# Altium PCB UmTRXv2.PcbDoc (part 7 of 25) (continued)
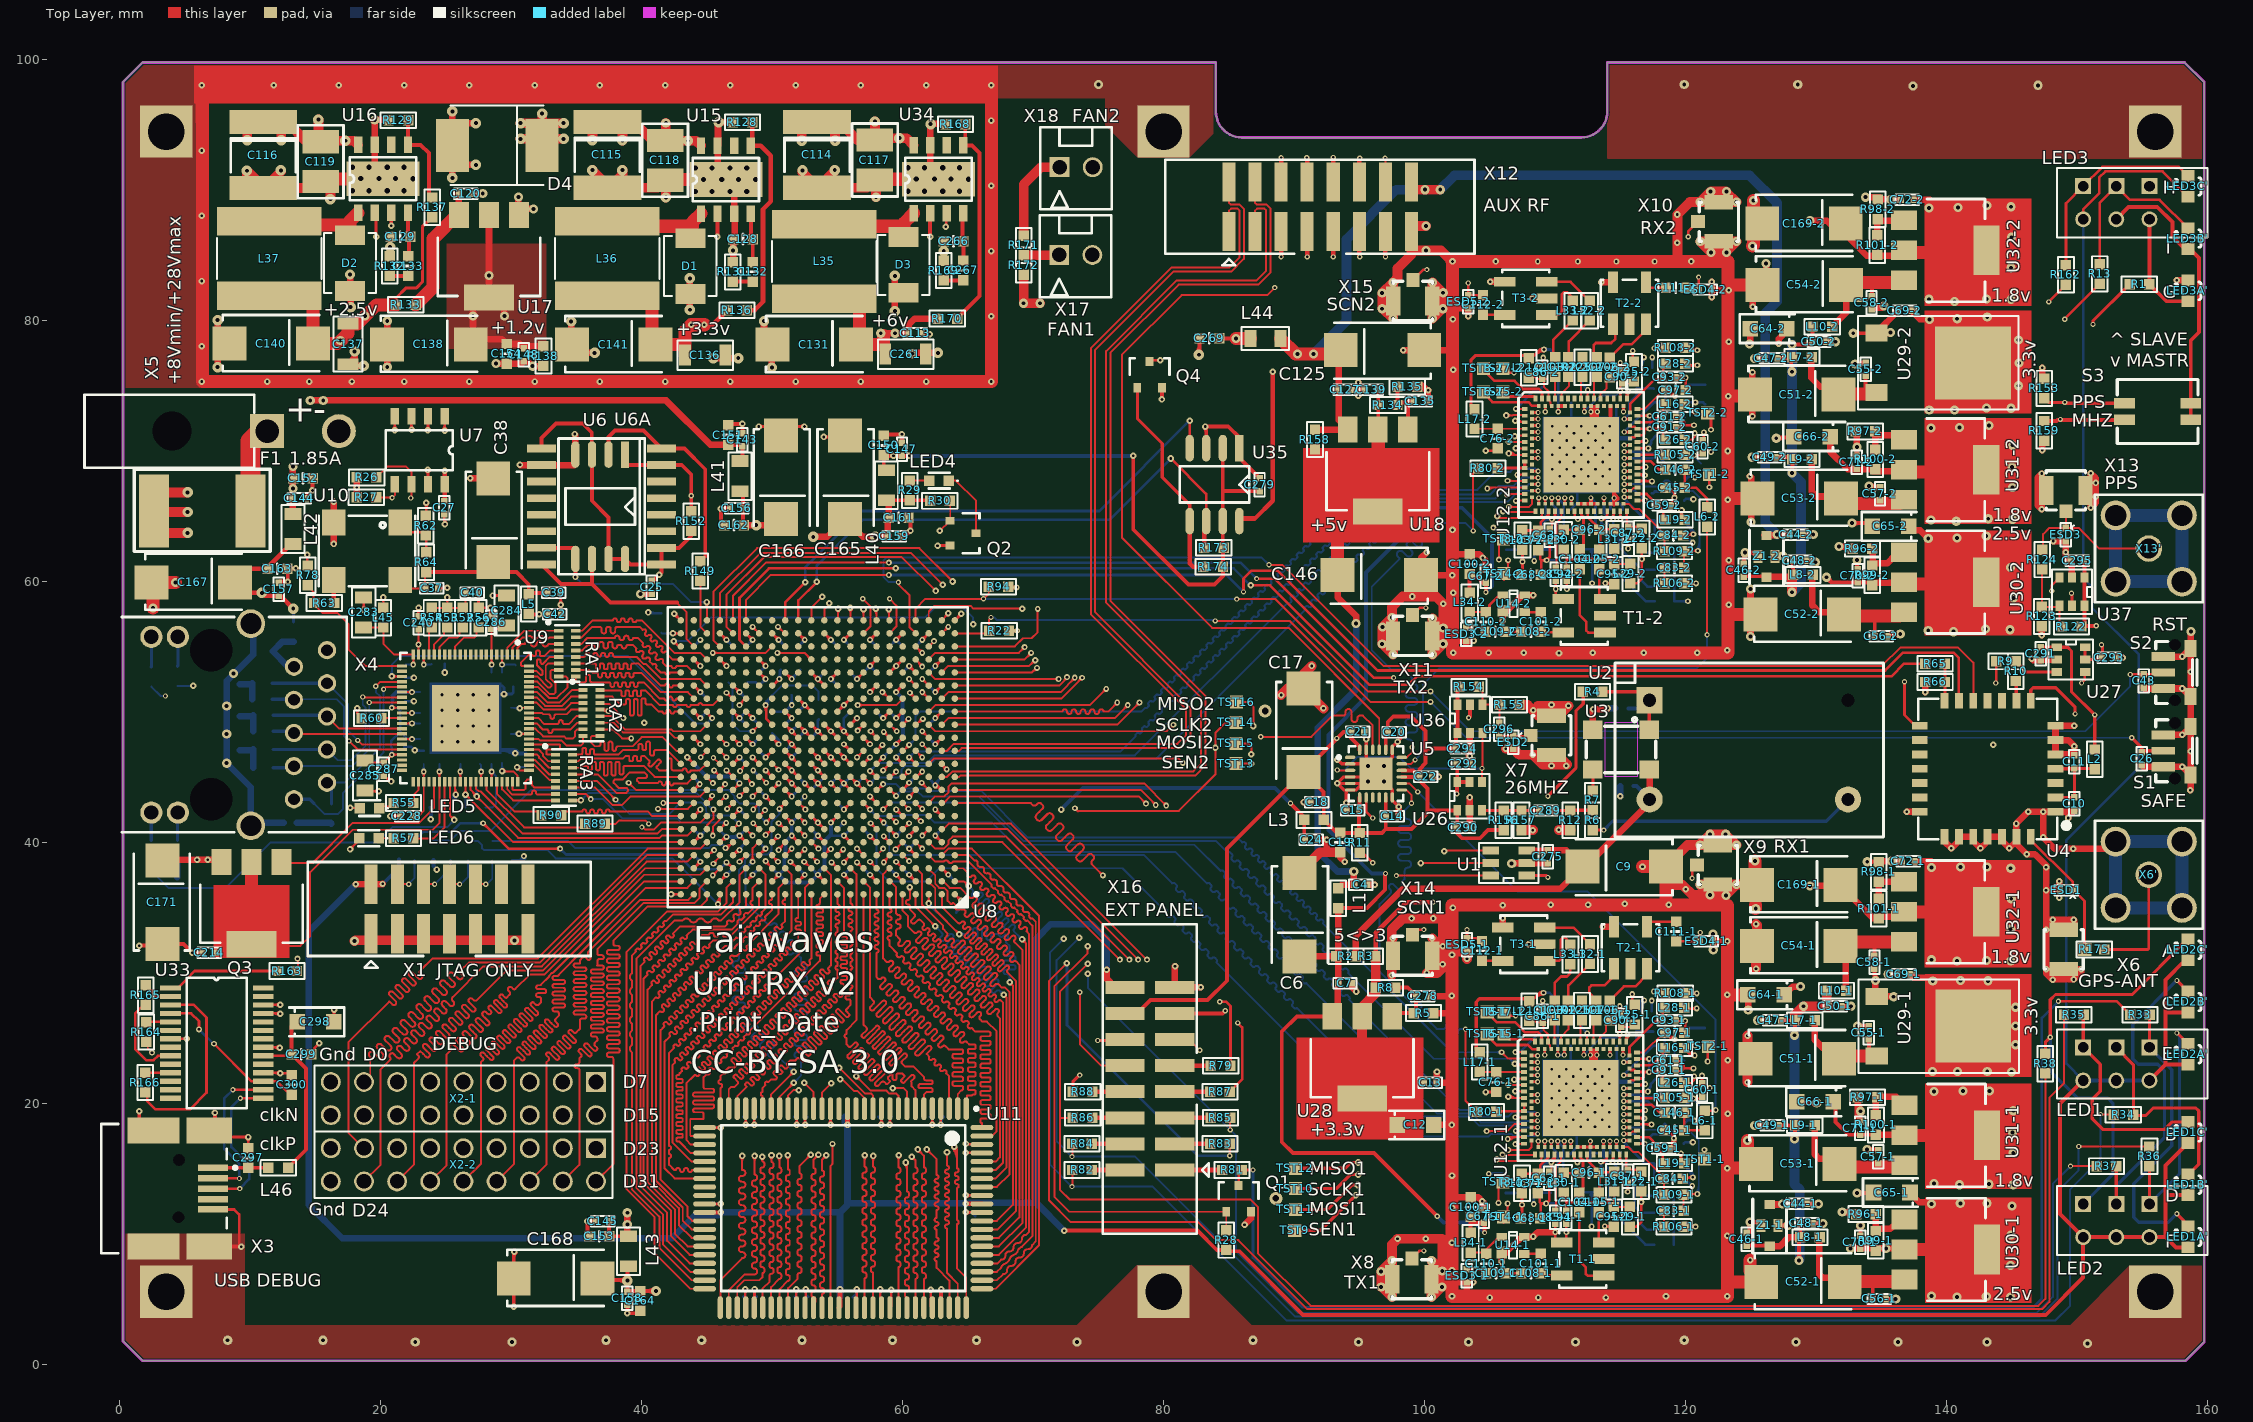
[diagram p0: Top Layer view]
## Nets (pads, with @x,y where several pads share a name; then routed paths per layer and width w, separated by ;. In a path a pad name is that pad's centre, name@x,y a point inside that pad or via, vN(x,y) a via of type N, cw(c..) or ccw(c..) an arc to the next point about the centre after c; other vN are vias at no path point) (continued)
  MidLayer1 w0.15: X2-2.3@33.96,16.54 35.225,15.275 37.925,15.275 38.125,15.475 ccw(c38.009,15.591) 38.125,15.707 38.003,15.829 cw(c38.119,15.944) 38.003,16.06 cw(c38.119,15.944) 38.235,16.06 38.71,15.585 ccw(c38.826,15.701) 38.942,15.585 ccw(c38.826,15.701) 38.942,15.817 38.467,16.292 cw(c38.583,16.408) 38.467,16.524 cw(c38.583,16.408) 38.699,16.524 38.936,16.286 39.174,16.049 ccw(c39.29,16.164) 39.406,16.049 ccw(c39.29,16.164) 39.406,16.28 38.93,16.756 cw(c39.046,16.872) 38.93,16.987 cw(c39.046,16.872) 39.162,16.987 39.637,16.512 ccw(c39.753,16.628) 39.869,16.512 ccw(c39.753,16.628) 39.869,16.744 39.632,16.982 39.394,17.219 cw(c39.51,17.335) 39.394,17.451 cw(c39.51,17.335) 39.626,17.451 40.101,16.976 ccw(c40.217,17.092) 40.333,16.976 ccw(c40.217,17.092) 40.333,17.208 39.858,17.683 cw(c39.973,17.799) 39.858,17.915 cw(c39.973,17.799) 40.089,17.915 40.211,17.793 ccw(c40.327,17.909) 40.443,17.793 40.625,17.975 40.625,18.4 ccw(c40.461,18.4) 40.461,18.564 40.412,18.564 cw(c40.412,18.728) 40.248,18.728 cw(c40.412,18.728) 40.412,18.892 40.838,18.892 ccw(c40.838,19.056) 41.002,19.056 ccw(c40.838,19.056) 40.838,19.219 40.781,19.219 cw(c40.781,19.375) 40.625,19.375 40.625,22.35 45.25,26.975 45.25,35.55 45.95,36.25 45.95,37.8 46.2,38.05 46.334,38.05 46.666,38.05 46.9,38.284 46.9,38.65 47.1,38.85 47.1,39.6 47.325,39.825 48.391,39.825 49.075,40.509 49.075,41.591 49.384,41.9 49.6,41.9 49.95,42.25 49.95,42.7 49.65,43 49.15,43 48.95,43.2 48.95,43.95 v2(48.45,44.45) ; v2@48.45,44.3 cw(c48.45,43.938) 48.706,44.194 ; v2@48.45,44.3 cw(c48.45,43.938) 48.706,44.194 ; v2@48.45,44.3 cw(c48.45,43.938) 48.706,44.194 ; v2@48.6,44.45 ccw(c48.962,44.45) 48.706,44.194 ; v2@48.6,44.45 ccw(c48.962,44.45) 48.706,44.194 ; v2@48.6,44.45 ccw(c48.962,44.45) 48.706,44.194
DEBUG23: U8.C19 X2-2.1 | length 55.2
  Top Layer w0.15: U8.C19@46,38 v2(45.45,37.45) ; v2(45.45,37.45) ccw(c45.397,37.707) 45.651,37.639 ; v2(45.45,37.45) cw(c45.707,37.397) 45.639,37.651 ; v2(45.45,37.45) cw(c45.707,37.397) 45.639,37.651 ; v2(45.45,37.45) ccw(c45.397,37.707) 45.651,37.639 ; v2(45.45,37.45) ccw(c45.397,37.707) 45.651,37.639 ; v2(45.45,37.45) cw(c45.707,37.397) 45.639,37.651 ; v2@45.45,37.6 ccw(c45.45,37.962) 45.706,37.706 ; v2@45.45,37.6 ccw(c45.45,37.962) 45.706,37.706 ; v2@45.45,37.6 ccw(c45.45,37.962) 45.706,37.706 ; v2@45.6,37.45 cw(c45.962,37.45) 45.706,37.706 ; v2@45.6,37.45 cw(c45.962,37.45) 45.706,37.706 ; v2@45.6,37.45 cw(c45.962,37.45) 45.706,37.706
  MidLayer1 w0.15: X2-2.1@36.5,16.54 37.906,17.946 cw(c38.018,17.834) 38.131,17.946 38.26,17.817 ccw(c38.372,17.93) 38.484,17.817 38.509,17.842 ccw(c38.397,17.955) 38.509,18.067 38.268,18.308 38.027,18.549 cw(c38.139,18.662) 38.027,18.774 38.052,18.799 cw(c38.164,18.687) 38.277,18.799 38.759,18.317 ccw(c38.871,18.429) 38.984,18.317 39.009,18.342 ccw(c38.896,18.454) 39.009,18.566 38.88,18.695 cw(c38.992,18.808) 38.88,18.92 39.3,19.34 39.3,19.55 ccw(c39.259,19.55) 39.259,19.591 38.959,19.591 cw(c38.959,19.75) 38.8,19.75 38.8,19.786 cw(c38.959,19.786) 38.959,19.945 39.641,19.945 ccw(c39.641,20.104) 39.8,20.104 39.8,20.139 ccw(c39.641,20.139) 39.641,20.298 38.959,20.298 cw(c38.959,20.457) 38.8,20.457 38.8,20.492 cw(c38.959,20.492) 38.959,20.651 39.641,20.651 ccw(c39.641,20.81) 39.8,20.81 39.8,20.845 ccw(c39.641,20.845) 39.641,21.004 38.959,21.004 cw(c38.959,21.163) 38.8,21.163 38.8,21.198 cw(c38.959,21.198) 38.959,21.357 39.641,21.357 ccw(c39.641,21.516) 39.8,21.516 39.8,21.552 ccw(c39.641,21.552) 39.641,21.711 38.959,21.711 cw(c38.959,21.87) 38.8,21.87 38.8,21.905 cw(c38.959,21.905) 38.959,22.064 39.641,22.064 ccw(c39.641,22.223) 39.8,22.223 39.8,22.258 ccw(c39.641,22.258) 39.641,22.417 38.959,22.417 cw(c38.959,22.576) 38.8,22.576 38.8,22.611 cw(c38.959,22.611) 38.959,22.77 39.641,22.77 ccw(c39.641,22.929) 39.8,22.929 39.8,22.964 ccw(c39.641,22.964) 39.641,23.123 39.459,23.123 cw(c39.459,23.282) 39.3,23.282 39.3,23.7 40.012,24.412 cw(c40.125,24.3) 40.237,24.412 40.366,24.283 ccw(c40.478,24.396) 40.591,24.283 40.616,24.308 ccw(c40.503,24.421) 40.616,24.533 40.487,24.662 cw(c40.599,24.774) 40.487,24.887 40.512,24.912 cw(c40.624,24.799) 40.737,24.912 40.865,24.783 ccw(c40.978,24.895) 41.09,24.783 41.115,24.808 ccw(c41.003,24.92) 41.115,25.033 40.986,25.161 cw(c41.099,25.274) 40.986,25.386 41.011,25.411 cw(c41.124,25.299) 41.236,25.411 41.365,25.282 ccw(c41.477,25.395) 41.59,25.282 41.615,25.307 ccw(c41.502,25.42) 41.615,25.532 41.486,25.661 cw(c41.598,25.773) 41.486,25.886 41.511,25.911 cw(c41.623,25.798) 41.736,25.911 41.864,25.782 ccw(c41.977,25.894) 42.089,25.782 42.114,25.807 ccw(c42.002,25.919) 42.114,26.032 41.985,26.16 cw(c42.098,26.273) 41.985,26.385 42.01,26.41 cw(c42.123,26.298) 42.235,26.41 42.364,26.281 ccw(c42.476,26.394) 42.589,26.281 42.614,26.306 ccw(c42.501,26.419) 42.614,26.531 42.485,26.66 cw(c42.597,26.772) 42.485,26.885 42.51,26.91 cw(c42.622,26.797) 42.735,26.91 42.863,26.781 ccw(c42.976,26.893) 43.088,26.781 43.113,26.806 ccw(c43.001,26.918) 43.113,27.031 42.984,27.159 cw(c43.097,27.272) 42.984,27.384 43.009,27.409 cw(c43.122,27.297) 43.234,27.409 43.363,27.28 ccw(c43.475,27.393) 43.588,27.28 43.613,27.305 ; 43.613,27.53 43.484,27.659 cw(c43.596,27.771) 43.484,27.884 43.509,27.909 cw(c43.621,27.796) 43.734,27.909 43.862,27.78 ccw(c43.975,27.892) 44.087,27.78 44.112,27.805 ccw(c44,27.917) 44.112,28.03 43.983,28.158 cw(c44.096,28.271) 43.983,28.383 44.55,28.95 44.55,29.625 ccw(c44.373,29.625) 44.373,29.802 44.233,29.802 cw(c44.233,29.978) 44.056,29.978 cw(c44.233,29.978) 44.233,30.155 44.817,30.155 ccw(c44.817,30.331) 44.994,30.331 ccw(c44.817,30.331) 44.817,30.508 44.233,30.508 cw(c44.233,30.685) 44.056,30.685 cw(c44.233,30.685) 44.233,30.861 44.817,30.861 ccw(c44.817,31.038) 44.994,31.038 ccw(c44.817,31.038) 44.817,31.214 44.233,31.214 cw(c44.233,31.391) 44.056,31.391 cw(c44.233,31.391) 44.233,31.568 44.817,31.568 ccw(c44.817,31.744) 44.994,31.744 ccw(c44.817,31.744) 44.817,31.921 44.233,31.921 cw(c44.233,32.097) 44.056,32.097 cw(c44.233,32.097) 44.233,32.274 44.817,32.274 ccw(c44.817,32.451) 44.994,32.451 ccw(c44.817,32.451) 44.817,32.627 44.233,32.627 cw(c44.233,32.804) 44.056,32.804 cw(c44.233,32.804) 44.233,32.98 44.817,32.98 ccw(c44.817,33.157) 44.994,33.157 ccw(c44.817,33.157) 44.817,33.334 44.55,33.334 44.55,36.55 v2(45.45,37.45) ; 43.613,27.305 ccw(c43.5,27.418) 43.613,27.53 ; 45.194,37.194 cw(c45.45,36.938) v2@45.45,37.3 ; 45.194,37.194 ccw(c44.938,37.45) v2@45.3,37.45 ; 45.194,37.194 ccw(c44.938,37.45) v2@45.3,37.45 ; 45.194,37.194 cw(c45.45,36.938) v2@45.45,37.3 ; 45.194,37.194 ccw(c44.938,37.45) v2@45.3,37.45 ; 45.194,37.194 cw(c45.45,36.938) v2@45.45,37.3
DEBUG24: U8.D21 X2-2.16 | length 50
  Top Layer w0.15: X2-2.16@18.72,14 19.975,15.255 19.975,22.575 20.731,23.331 ccw(c20.656,23.405) 20.731,23.48 cw(c20.874,23.623) 20.731,23.766 cw(c20.874,23.623) 21.016,23.766 21.287,23.495 ccw(c21.43,23.637) 21.573,23.495 ccw(c21.43,23.637) 21.573,23.78 21.3,24.054 cw(c21.443,24.196) 21.3,24.339 cw(c21.443,24.196) 21.585,24.339 21.859,24.066 ccw(c22.002,24.209) 22.144,24.066 ccw(c22.002,24.209) 22.144,24.352 21.948,24.548 21.851,24.645 cw(c21.994,24.788) 21.851,24.931 cw(c21.994,24.788) 22.136,24.931 22.234,24.834 22.43,24.637 ccw(c22.573,24.78) 22.716,24.637 ccw(c22.573,24.78) 22.716,24.923 22.519,25.119 22.397,25.242 cw(c22.54,25.384) 22.397,25.527 cw(c22.54,25.384) 22.683,25.527 22.805,25.405 23.001,25.209 ccw(c23.144,25.351) 23.287,25.209 ccw(c23.144,25.351) 23.287,25.494 22.97,25.812 cw(c23.113,25.954) 22.97,26.097 cw(c23.113,25.954) 23.256,26.097 23.573,25.78 ccw(c23.716,25.923) 23.858,25.78 ccw(c23.716,25.923) 23.858,26.066 23.566,26.358 cw(c23.709,26.501) 23.566,26.644 cw(c23.709,26.501) 23.852,26.644 23.948,26.548 24.144,26.351 ccw(c24.287,26.494) 24.43,26.351 ccw(c24.287,26.494) 24.43,26.637 24.233,26.833 24.157,26.909 cw(c24.3,27.052) 24.157,27.195 cw(c24.3,27.052) 24.443,27.195 24.519,27.119 24.716,26.923 ccw(c24.858,27.065) 25.001,26.923 ccw(c24.858,27.065) 25.001,27.208 24.805,27.405 24.735,27.474 cw(c24.878,27.617) 24.735,27.76 cw(c24.878,27.617) 25.021,27.76 25.287,27.494 ccw(c25.43,27.637) 25.573,27.494 ccw(c25.43,27.637) 25.573,27.78 25.519,27.833 cw(c25.662,27.976) 25.519,28.119 27.875,30.475 32.35,30.475 40.375,38.5 43.5,38.5 U8.D21@44,39
DEBUG25: U8.C22 X2-2.14 | length 49.8
  Top Layer w0.15: X2-2.14@21.26,14 22.55,15.29 22.55,23.075 22.875,23.4 ccw(c22.75,23.525) 22.875,23.65 22.782,23.743 23.032,23.993 23.25,23.775 23.468,23.557 ccw(c23.593,23.681) 23.717,23.557 ccw(c23.593,23.681) 23.717,23.806 23.499,24.024 23.281,24.242 cw(c23.406,24.367) 23.281,24.492 cw(c23.406,24.367) 23.531,24.492 23.967,24.056 ccw(c24.092,24.181) 24.217,24.056 ccw(c24.092,24.181) 24.217,24.306 23.781,24.742 cw(c23.906,24.867) 23.781,24.992 cw(c23.906,24.867) 24.031,24.992 24.249,24.774 24.467,24.556 ccw(c24.592,24.68) 24.716,24.556 ccw(c24.592,24.68) 24.716,24.805 24.498,25.023 24.28,25.241 cw(c24.405,25.366) 24.28,25.491 cw(c24.405,25.366) 24.53,25.491 24.966,25.055 ccw(c25.091,25.18) 25.216,25.055 ccw(c25.091,25.18) 25.216,25.305 24.78,25.741 cw(c24.905,25.866) 24.78,25.991 cw(c24.905,25.866) 25.03,25.991 25.248,25.773 25.466,25.555 ccw(c25.591,25.679) 25.715,25.555 ccw(c25.591,25.679) 25.715,25.804 25.497,26.022 25.279,26.24 cw(c25.404,26.365) 25.279,26.49 cw(c25.404,26.365) 25.529,26.49 25.965,26.054 ccw(c26.09,26.179) 26.215,26.054 ccw(c26.09,26.179) 26.215,26.304 25.779,26.74 cw(c25.904,26.865) 25.779,26.99 cw(c25.904,26.865) 26.029,26.99 26.247,26.772 26.465,26.554 ccw(c26.59,26.678) 26.714,26.554 ccw(c26.59,26.678) 26.714,26.803 26.496,27.021 26.278,27.239 cw(c26.403,27.364) 26.278,27.489 cw(c26.403,27.364) 26.528,27.489 26.964,27.053 ccw(c27.089,27.178) 27.214,27.053 ccw(c27.089,27.178) 27.214,27.303 26.996,27.521 26.778,27.739 cw(c26.903,27.864) 26.778,27.989 cw(c26.903,27.864) 27.028,27.989 27.121,27.895 ccw(c27.246,28.02) 27.37,27.895 29.65,30.175 32.45,30.175 40.275,38 U8.C22@43,38
DEBUG26: U8.C20 X2-2.12 | length 50
  Top Layer w0.15: X2-2.12@23.8,14 25.05,15.25 25.05,23.728 25.425,24.103 ; 25.438,24.112 25.334,24.216 cw(c25.459,24.341) 25.334,24.466 cw(c25.459,24.341) 25.583,24.466 25.812,24.237 26.041,24.008 ccw(c26.166,24.133) 26.291,24.008 ccw(c26.166,24.133) 26.291,24.258 26.062,24.487 25.833,24.716 cw(c25.958,24.84) 25.833,24.965 cw(c25.958,24.84) 26.083,24.965 26.54,24.508 ccw(c26.665,24.633) 26.79,24.508 ccw(c26.665,24.633) 26.79,24.758 26.333,25.215 cw(c26.458,25.34) 26.333,25.465 cw(c26.458,25.34) 26.582,25.465 26.811,25.236 27.04,25.007 ccw(c27.165,25.132) 27.29,25.007 ccw(c27.165,25.132) 27.29,25.257 27.061,25.486 26.832,25.715 cw(c26.957,25.839) 26.832,25.964 cw(c26.957,25.839) 27.082,25.964 27.539,25.507 ccw(c27.664,25.632) 27.789,25.507 ccw(c27.664,25.632) 27.789,25.757 27.332,26.214 cw(c27.457,26.339) 27.332,26.464 cw(c27.457,26.339) 27.581,26.464 27.81,26.235 28.039,26.006 ccw(c28.164,26.131) 28.289,26.006 ccw(c28.164,26.131) 28.289,26.256 28.06,26.485 27.831,26.714 cw(c27.956,26.838) 27.831,26.963 cw(c27.956,26.838) 28.081,26.963 28.185,26.859 ccw(c28.31,26.984) 28.434,26.859 ccw(c28.328,26.966) 28.434,27.073 28.295,27.213 cw(c28.402,27.32) 28.295,27.427 cw(c28.402,27.32) 28.509,27.427 28.755,27.18 29.002,26.934 ccw(c29.109,27.041) 29.216,26.934 ccw(c29.109,27.041) 29.216,27.147 28.722,27.641 cw(c28.829,27.748) 28.722,27.855 cw(c28.829,27.748) 28.936,27.855 29.183,27.608 29.43,27.361 ccw(c29.536,27.468) 29.643,27.361 ccw(c29.536,27.468) 29.643,27.575 29.397,27.822 29.15,28.068 cw(c29.257,28.175) 29.15,28.282 cw(c29.257,28.175) 29.364,28.282 29.559,28.087 ccw(c29.611,28.139) 29.662,28.087 29.863,28.287 ccw(c29.738,28.412) 29.863,28.537 29.799,28.601 cw(c29.924,28.726) 29.799,28.85 cw(c29.924,28.726) 30.049,28.85 30.149,28.75 ccw(c30.237,28.838) 30.325,28.75 31.425,29.85 32.55,29.85 40.2,37.5 44.5,37.5 U8.C20@45,38
DEBUG27: U8.B22 X2-2.10 | length 49.8
  Top Layer w0.15: X2-2.10@26.34,14 27.675,15.335 27.675,23.125 27.825,23.275 ccw(c27.718,23.382) 27.825,23.489 27.685,23.629 cw(c27.792,23.735) 27.685,23.842 cw(c27.792,23.735) 27.899,23.842 28.146,23.596 28.392,23.349 ccw(c28.499,23.456) 28.606,23.349 ccw(c28.499,23.456) 28.606,23.563 28.113,24.056 cw(c28.22,24.163) 28.113,24.27 cw(c28.22,24.163) 28.327,24.27 28.573,24.023 28.82,23.777 ccw(c28.927,23.884) 29.034,23.777 ccw(c28.927,23.884) 29.034,23.991 28.787,24.237 28.541,24.484 cw(c28.648,24.591) 28.541,24.698 cw(c28.648,24.591) 28.754,24.698 29.248,24.204 ccw(c29.355,24.311) 29.462,24.204 ccw(c29.355,24.311) 29.462,24.418 29.215,24.665 28.968,24.912 cw(c29.075,25.018) 28.968,25.125 cw(c29.075,25.018) 29.182,25.125 29.675,24.632 ccw(c29.782,24.739) 29.889,24.632 ccw(c29.782,24.739) 29.889,24.846 29.643,25.093 29.396,25.339 cw(c29.503,25.446) 29.396,25.553 cw(c29.503,25.446) 29.61,25.553 29.856,25.306 30.103,25.06 ccw(c30.21,25.167) 30.317,25.06 ccw(c30.21,25.167) 30.317,25.274 29.824,25.767 cw(c29.93,25.874) 29.824,25.981 cw(c29.93,25.874) 30.037,25.981 30.284,25.734 30.531,25.487 ccw(c30.638,25.594) 30.744,25.487 ccw(c30.638,25.594) 30.744,25.701 30.251,26.194 cw(c30.358,26.301) 30.251,26.408 cw(c30.358,26.301) 30.465,26.408 30.712,26.162 30.958,25.915 ccw(c31.065,26.022) 31.172,25.915 ccw(c31.065,26.022) 31.172,26.129 30.926,26.376 30.679,26.622 cw(c30.786,26.729) 30.679,26.836 cw(c30.786,26.729) 30.893,26.836 31.386,26.343 ccw(c31.493,26.45) 31.6,26.343 ccw(c31.493,26.45) 31.6,26.557 31.353,26.803 31.107,27.05 cw(c31.213,27.157) 31.107,27.264 cw(c31.213,27.157) 31.32,27.264 31.814,26.77 ccw(c31.921,26.877) 32.027,26.77 ccw(c31.921,26.877) 32.027,26.984 31.781,27.231 31.534,27.477 cw(c31.641,27.584) 31.534,27.691 cw(c31.641,27.584) 31.748,27.691 31.888,27.552 ccw(c31.995,27.658) 32.102,27.552 32.3,27.75 32.3,27.975 ccw(c32.149,27.975) 32.149,28.126 32.062,28.126 cw(c32.062,28.277) 31.911,28.277 cw(c32.062,28.277) 32.062,28.429 32.538,28.429 ccw(c32.538,28.58) 32.689,28.58 ccw(c32.538,28.58) 32.538,28.731 32.062,28.731 cw(c32.062,28.882) 31.911,28.882 cw(c32.062,28.882) 32.062,29.033 32.233,29.033 ccw(c32.233,29.1) 32.3,29.1 32.898,29.698 32.898,29.709 32.911,29.721 32.942,29.753 32.942,29.797 33.119,29.975 33.163,29.975 33.194,30.006 33.206,30.006 40.2,37 U8.B22@43,37
DEBUG28: U8.B21 X2-2.8 | length 49.7
  Top Layer w0.15: X2-2.8@28.88,14 30.2,15.32 30.2,23.249 30.414,23.462 cw(c30.521,23.355) 30.628,23.462 30.767,23.323 ccw(c30.874,23.43) 30.981,23.323 ccw(c30.874,23.43) 30.981,23.536 30.488,24.03 cw(c30.595,24.137) 30.488,24.244 cw(c30.595,24.137) 30.702,24.244 30.948,23.997 31.195,23.75 ccw(c31.302,23.857) 31.409,23.75 ccw(c31.302,23.857) 31.409,23.964 31.162,24.211 30.916,24.457 cw(c31.023,24.564) 30.916,24.671 cw(c31.023,24.564) 31.129,24.671 31.623,24.178 ccw(c31.73,24.285) 31.837,24.178 ccw(c31.73,24.285) 31.837,24.392 31.59,24.638 31.343,24.885 cw(c31.45,24.992) 31.343,25.099 cw(c31.45,24.992) 31.557,25.099 32.05,24.606 ccw(c32.157,24.713) 32.264,24.606 ccw(c32.157,24.713) 32.264,24.819 32.018,25.066 31.771,25.313 cw(c31.878,25.42) 31.771,25.527 cw(c31.878,25.42) 31.985,25.527 32.231,25.28 32.478,25.033 ccw(c32.585,25.14) 32.692,25.033 ccw(c32.585,25.14) 32.692,25.247 32.199,25.74 cw(c32.305,25.847) 32.199,25.954 cw(c32.305,25.847) 32.412,25.954 32.659,25.708 32.906,25.461 ccw(c33.013,25.568) 33.119,25.461 ccw(c33.013,25.568) 33.119,25.675 32.626,26.168 cw(c32.733,26.275) 32.626,26.382 cw(c32.733,26.275) 32.84,26.382 33.087,26.135 33.333,25.889 ccw(c33.44,25.996) 33.547,25.889 ccw(c33.44,25.996) 33.547,26.102 33.407,26.242 cw(c33.514,26.349) 33.407,26.456 33.65,26.699 33.65,26.875 ccw(c33.499,26.875) 33.499,27.026 33.32,27.026 cw(c33.32,27.177) 33.169,27.177 cw(c33.32,27.177) 33.32,27.329 33.98,27.329 ccw(c33.98,27.48) 34.131,27.48 ccw(c33.98,27.48) 33.98,27.631 33.32,27.631 cw(c33.32,27.782) 33.169,27.782 cw(c33.32,27.782) 33.32,27.933 33.98,27.933 ccw(c33.98,28.085) 34.131,28.085 ccw(c33.98,28.085) 33.98,28.236 33.32,28.236 cw(c33.32,28.387) 33.169,28.387 cw(c33.32,28.387) 33.32,28.538 33.98,28.538 ccw(c33.98,28.689) 34.131,28.689 ccw(c33.98,28.689) 33.98,28.841 33.32,28.841 cw(c33.32,28.992) 33.169,28.992 cw(c33.32,28.992) 33.32,29.143 33.98,29.143 ccw(c33.98,29.294) 34.131,29.294 ccw(c33.98,29.294) 33.98,29.445 33.32,29.445 cw(c33.32,29.597) 33.169,29.597 cw(c33.32,29.597) 33.32,29.748 33.548,29.748 ccw(c33.548,29.85) 33.65,29.85 34.561,30.761 34.739,30.939 40.3,36.5 43.5,36.5 U8.B21@44,37
DEBUG29: U8.A21 X2-2.6 | length 49.6
  Top Layer w0.15: X2-2.6@31.42,14 32.7,15.28 32.7,23.125 32.862,23.287 ccw(c32.756,23.394) 32.862,23.501 32.723,23.641 cw(c32.83,23.748) 32.723,23.855 cw(c32.83,23.748) 32.937,23.855 33.183,23.608 33.43,23.362 ccw(c33.537,23.469) 33.644,23.362 ccw(c33.537,23.469) 33.644,23.575 33.15,24.069 cw(c33.257,24.176) 33.15,24.283 cw(c33.257,24.176) 33.364,24.283 33.611,24.036 33.858,23.789 ccw(c33.964,23.896) 34.071,23.789 ccw(c33.964,23.896) 34.071,24.003 33.825,24.25 33.578,24.496 cw(c33.685,24.603) 33.578,24.71 cw(c33.685,24.603) 33.792,24.71 34.285,24.217 ccw(c34.392,24.324) 34.499,24.217 ccw(c34.392,24.324) 34.499,24.431 34.252,24.677 34.006,24.924 cw(c34.113,25.031) 34.006,25.138 cw(c34.113,25.031) 34.22,25.138 34.713,24.645 ccw(c34.82,24.751) 34.927,24.645 ccw(c34.82,24.751) 34.927,24.858 34.68,25.105 34.433,25.352 cw(c34.54,25.459) 34.433,25.566 cw(c34.54,25.459) 34.647,25.566 34.787,25.426 ccw(c34.894,25.533) 35.001,25.426 35.275,25.7 35.275,26.327 cw(c35.426,26.327) 35.426,26.479 35.611,26.479 ccw(c35.611,26.63) 35.762,26.63 ccw(c35.611,26.63) 35.611,26.781 34.939,26.781 cw(c34.939,26.932) 34.788,26.932 cw(c34.939,26.932) 34.939,27.083 35.611,27.083 ccw(c35.611,27.235) 35.762,27.235 ccw(c35.611,27.235) 35.611,27.386 34.939,27.386 cw(c34.939,27.537) 34.788,27.537 cw(c34.939,27.537) 34.939,27.688 35.611,27.688 ccw(c35.611,27.839) 35.762,27.839 ccw(c35.611,27.839) 35.611,27.991 34.939,27.991 cw(c34.939,28.142) 34.788,28.142 cw(c34.939,28.142) 34.939,28.293 35.611,28.293 ccw(c35.611,28.444) 35.762,28.444 ccw(c35.611,28.444) 35.611,28.595 34.939,28.595 cw(c34.939,28.747) 34.788,28.747 cw(c34.939,28.747) 34.939,28.898 35.611,28.898 ccw(c35.611,29.049) 35.762,29.049 ccw(c35.611,29.049) 35.611,29.2 34.939,29.2 cw(c34.939,29.351) 34.788,29.351 cw(c34.939,29.351) 34.939,29.503 35.611,29.503 ccw(c35.611,29.654) 35.762,29.654 ccw(c35.611,29.654) 35.611,29.805 34.939,29.805 cw(c34.939,29.956) 34.788,29.956 cw(c34.939,29.956) 34.939,30.107 35.611,30.107 ccw(c35.611,30.259) 35.762,30.259 ccw(c35.611,30.259) 35.611,30.41 34.939,30.41 cw(c34.939,30.561) 34.788,30.561 cw(c34.939,30.561) 34.939,30.712 35.275,30.712 35.275,30.95 35.487,31.162 cw(c35.593,31.056) 35.699,31.162 35.841,31.021 ccw(c35.947,31.127) 36.053,31.021 ccw(c35.947,31.127) 36.053,31.233 35.911,31.374 cw(c36.017,31.48) 35.911,31.586 39.9,35.575 43.575,35.575 U8.A21@44,36
DEBUG30: U8.B20 X2-2.4 | length 50
  Top Layer w0.15: X2-2.4@33.96,14 35.225,15.265 35.225,22.55 ccw(c35.1,22.55) 35.1,22.675 35.012,22.675 cw(c35.012,22.825) 34.862,22.825 cw(c35.012,22.825) 35.012,22.975 35.075,22.975 ccw(c35.075,23.125) 35.225,23.125 35.225,23.425 35.35,23.55 ccw(c35.243,23.657) 35.35,23.764 35.21,23.904 cw(c35.317,24.01) 35.21,24.117 cw(c35.317,24.01) 35.424,24.117 35.671,23.871 35.917,23.624 ccw(c36.024,23.731) 36.131,23.624 ccw(c36.024,23.731) 36.131,23.838 35.638,24.331 cw(c35.745,24.438) 35.638,24.545 cw(c35.745,24.438) 35.852,24.545 36.098,24.298 36.345,24.052 ccw(c36.452,24.159) 36.559,24.052 ccw(c36.452,24.159) 36.559,24.266 36.419,24.405 cw(c36.526,24.512) 36.419,24.619 36.6,24.8 36.6,24.951 ccw(c36.449,24.951) 36.449,25.102 36.252,25.102 cw(c36.252,25.254) 36.101,25.254 cw(c36.252,25.254) 36.252,25.405 36.948,25.405 ccw(c36.948,25.556) 37.099,25.556 ccw(c36.948,25.556) 36.948,25.707 36.252,25.707 cw(c36.252,25.858) 36.101,25.858 cw(c36.252,25.858) 36.252,26.01 36.948,26.01 ccw(c36.948,26.161) 37.099,26.161 ccw(c36.948,26.161) 36.948,26.312 36.252,26.312 cw(c36.252,26.463) 36.101,26.463 cw(c36.252,26.463) 36.252,26.614 36.948,26.614 ccw(c36.948,26.766) 37.099,26.766 ccw(c36.948,26.766) 36.948,26.917 36.252,26.917 cw(c36.252,27.068) 36.101,27.068 cw(c36.252,27.068) 36.252,27.219 36.948,27.219 ccw(c36.948,27.37) 37.099,27.37 ccw(c36.948,27.37) 36.948,27.522 36.252,27.522 cw(c36.252,27.673) 36.101,27.673 cw(c36.252,27.673) 36.252,27.824 36.948,27.824 ccw(c36.948,27.975) 37.099,27.975 ccw(c36.948,27.975) 36.948,28.126 36.252,28.126 cw(c36.252,28.278) 36.101,28.278 cw(c36.252,28.278) 36.252,28.429 36.948,28.429 ccw(c36.948,28.58) 37.099,28.58 ccw(c36.948,28.58) 36.948,28.731 36.252,28.731 cw(c36.252,28.882) 36.101,28.882 cw(c36.252,28.882) 36.252,29.034 36.948,29.034 ccw(c36.948,29.185) 37.099,29.185 ccw(c36.948,29.185) 36.948,29.336 36.252,29.336 cw(c36.252,29.487) 36.101,29.487 cw(c36.252,29.487) 36.252,29.638 36.948,29.638 ccw(c36.948,29.79) 37.099,29.79 ccw(c36.948,29.79) 36.948,29.941 36.252,29.941 cw(c36.252,30.092) 36.101,30.092 cw(c36.252,30.092) 36.252,30.243 36.948,30.243 ccw(c36.948,30.394) 37.099,30.394 ccw(c36.948,30.394) 36.948,30.546 36.588,30.546 36.6,30.558 36.6,30.887 cw(c36.75,30.887) 36.75,31.037 36.95,31.037 ccw(c36.95,31.187) 37.1,31.187 ccw(c36.95,31.187) 36.95,31.337 36.75,31.337 cw(c36.75,31.487) 36.6,31.487 36.6,31.795 40.13,35.325 44.025,35.325 44.449,35.749 44.449,36.449 U8.B20@45,37
DEBUG31: U8.A20 X2-2.2 | length 50
  Top Layer w0.15: X2-2.2@36.5,14 37.825,15.325 37.825,23.4 ccw(c37.687,23.4) 37.687,23.538 37.49,23.538 cw(c37.49,23.702) 37.327,23.702 cw(c37.49,23.702) 37.49,23.866 38.16,23.866 ccw(c38.16,24.03) 38.323,24.03 ccw(c38.16,24.03) 38.16,24.194 37.49,24.194 cw(c37.49,24.358) 37.327,24.358 cw(c37.49,24.358) 37.49,24.522 38.16,24.522 ccw(c38.16,24.686) 38.323,24.686 ccw(c38.16,24.686) 38.16,24.85 37.49,24.85 cw(c37.49,25.013) 37.327,25.013 cw(c37.49,25.013) 37.49,25.177 38.16,25.177 ccw(c38.16,25.341) 38.323,25.341 ccw(c38.16,25.341) 38.16,25.505 37.503,25.505 cw(c37.503,25.669) 37.339,25.669 cw(c37.503,25.669) 37.503,25.833 38.16,25.833 ccw(c38.16,25.997) 38.323,25.997 ccw(c38.16,25.997) 38.16,26.161 37.49,26.161 cw(c37.49,26.325) 37.327,26.325 cw(c37.49,26.325) 37.49,26.489 38.16,26.489 ccw(c38.16,26.652) 38.323,26.652 ccw(c38.16,26.652) 38.16,26.816 37.49,26.816 cw(c37.49,26.98) 37.327,26.98 cw(c37.49,26.98) 37.49,27.144 38.16,27.144 ccw(c38.16,27.308) 38.323,27.308 ccw(c38.16,27.308) 38.16,27.472 37.49,27.472 cw(c37.49,27.636) 37.327,27.636 cw(c37.49,27.636) 37.49,27.8 38.16,27.8 ccw(c38.16,27.964) 38.323,27.964 ccw(c38.16,27.964) 38.16,28.128 37.49,28.128 cw(c37.49,28.291) 37.327,28.291 cw(c37.49,28.291) 37.49,28.455 38.16,28.455 ccw(c38.16,28.619) 38.323,28.619 ccw(c38.16,28.619) 38.16,28.783 37.49,28.783 cw(c37.49,28.947) 37.327,28.947 cw(c37.49,28.947) 37.49,29.111 38.16,29.111 ccw(c38.16,29.275) 38.323,29.275 ccw(c38.16,29.275) 38.16,29.439 37.49,29.439 cw(c37.49,29.603) 37.327,29.603 cw(c37.49,29.603) 37.49,29.767 38.16,29.767 ccw(c38.16,29.93) 38.323,29.93 ccw(c38.16,29.93) 38.16,30.094 37.498,30.094 cw(c37.498,30.258) 37.334,30.258 cw(c37.498,30.258) 37.498,30.422 38.16,30.422 ccw(c38.16,30.586) 38.323,30.586 ccw(c38.16,30.586) 38.16,30.75 37.49,30.75 cw(c37.49,30.914) 37.327,30.914 cw(c37.49,30.914) 37.49,31.078 38.16,31.078 ccw(c38.16,31.242) 38.323,31.242 ccw(c38.16,31.242) 38.16,31.406 37.49,31.406 cw(c37.49,31.569) 37.327,31.569 cw(c37.49,31.569) 37.49,31.733 38.16,31.733 ccw(c38.16,31.897) 38.323,31.897 ccw(c38.16,31.897) 38.16,32.061 37.989,32.061 cw(c37.989,32.225) 37.825,32.225 37.825,32.45 40.45,35.075 44.525,35.075 45,35.55 U8.A20@45,36
DEBUG_CLK_N: U8.L19 X2-1.18 | length 49.9
  Top Layer w0.15: v4(45.5,46.475) 45.975,46 U8.L19@46,46
  Mid-Layer 2 w0.15: X2-1.18@16.18,19.08 16.18,18.755 15.425,18 15,18 14.85,18.15 14.85,22.883 21.092,29.125 29.367,29.125 38.18,37.938 38.18,41.33 42.256,45.406 43.921,45.406 44.56,46.045 44.77,46.045 45.2,46.475 v4(45.5,46.475)
DEBUG_CLK_P: U8.M20 X2-2.17 | length 49.9
  Top Layer w0.15: v4(44.525,46.5) 45,46.975 U8.M20@45,47
  Mid-Layer 2 w0.1: v4@44.5,46.5 v4(44.525,46.5)
  Mid-Layer 2 w0.15: X2-2.17@16.18,16.54 16.18,16.82 15.33,17.67 14.863,17.67 14.52,18.013 14.52,23.02 20.955,29.455 29.23,29.455 37.85,38.075 37.85,41.467 42.119,45.736 43.784,45.736 44.35,46.302 44.35,46.325 v4(44.525,46.5)
DIVSW1_N: U8.M1 X12.2 | length 72.3
  Top Layer w0.15: U8.M1@64,47 64.332,47 64.525,47.193 64.525,47.2 81.192,47.2 82.055,48.063 82.055,50.312 74.75,57.617 74.75,77.725 80.75,83.725 85.187,83.725 86.155,84.693 86.155,88.537 85.812,88.88 85.128,88.88 85,89.008 X12.2@85,90.6
DIVSW1_P: U8.M2 X12.1 | length 72.3
  Top Layer w0.15: U8.M2@63,47 63.399,47 63.929,47.53 81.055,47.53 81.725,48.2 81.725,50.175 74.42,57.48 74.42,77.862 80.613,84.055 85.05,84.055 85.825,84.83 85.825,88.4 85.675,88.55 85.167,88.55 85,88.383 X12.1@85,86.8
DIVSW2_N: U8.K1 X12.4 | length 76.9
  Top Layer w0.15: U8.K1@64,45 64.332,45 64.432,45.1 82.417,45.1 83.205,45.888 83.205,51.212 75.925,58.492 75.925,77.5 81.15,82.725 87.267,82.725 88.18,83.638 88.18,88.562 87.862,88.88 87.128,88.88 87,89.008 X12.4@87,90.6
DIVSW2_P: U8.K2 X12.3 | length 76.9
  Top Layer w0.15: U8.K2@63,45 63.399,45 63.829,45.43 82.28,45.43 82.875,46.025 82.875,51.075 75.595,58.355 75.595,77.637 81.013,83.055 87.13,83.055 87.85,83.775 87.85,88.425 87.725,88.55 87.167,88.55 87,88.383 X12.3@87,86.8
DONE: Q1.1 R28.2 U8.Y22 | length 97.3
  Top Layer w0.15: v1(42.45,55.4) 42.85,55 U8.Y22@43,55 ; v1(74.174,32.025) 74.174,31.499 71.625,28.95 71.625,12.825 72.775,11.675 Q1.1@84.8,11.675 R28.2@84.8,10.25 ; v1@42.445,55.376 cw(c42.38,55.056) 42.695,55.14 ; v1@42.445,55.376 cw(c42.38,55.056) 42.695,55.14 ; v1@42.445,55.376 cw(c42.38,55.056) 42.695,55.14 ; v1@42.45,55.225 cw(c42.45,54.803) 42.749,55.101 ; v1@42.45,55.225 cw(c42.45,54.803) 42.749,55.101 ; v1@42.45,55.225 cw(c42.45,54.803) 42.749,55.101 ; v1@42.474,55.405 ccw(c42.794,55.47) 42.71,55.155 ; v1@42.474,55.405 ccw(c42.794,55.47) 42.71,55.155 ; v1@42.474,55.405 ccw(c42.794,55.47) 42.71,55.155 ; v1@42.625,55.4 ccw(c43.047,55.4) 42.749,55.101 ; v1@42.625,55.4 ccw(c43.047,55.4) 42.749,55.101 ; v1@42.625,55.4 ccw(c43.047,55.4) 42.749,55.101
  Mid-Layer 2 w0.15: v1(65.4,56.7) 65.856,56.244 65.856,40.994 74.174,32.676 v1(74.174,32.025) ; 65.699,56.401 cw(c65.997,56.7) 65.575,56.7 ccw(c65.997,56.7) 65.699,56.401 ; 65.699,56.401 ccw(c65.4,56.103) 65.4,56.525 cw(c65.4,56.103) 65.699,56.401
  Bottom Layer w0.15: v1(42.45,55.4) 43.5,55.4 45.3,57.2 61.7,57.2 62.475,57.975 64.626,57.975 65.4,57.201 v1(65.4,56.7) ; 42.872,55.4 cw(c42.872,55.822) 42.574,55.524 ccw(c42.872,55.822) 42.872,55.4 ; 42.872,55.4 ccw(c42.872,54.978) 42.574,55.276 cw(c42.872,54.978) 42.872,55.4 ; 65.4,57.122 cw(c64.978,57.122) 65.276,56.824 ccw(c64.978,57.122) 65.4,57.122 ; 65.4,57.122 ccw(c65.822,57.122) 65.524,56.824 cw(c65.822,57.122) 65.4,57.122
ETH_LEDG: R44.2 U8.Y15 | length 50.2
  Top Layer w0.15: v2(45.45,54.5) 49.5,54.5 U8.Y15@50,55 ; v2@45.556,54.394 cw(c45.812,54.138) 45.812,54.5 ; v2@45.556,54.394 cw(c45.812,54.138) 45.812,54.5 ; v2@45.556,54.394 cw(c45.812,54.138) 45.812,54.5 ; v2@45.556,54.606 ccw(c45.812,54.862) 45.812,54.5 ; v2@45.556,54.606 ccw(c45.812,54.862) 45.812,54.5 ; v2@45.556,54.606 ccw(c45.812,54.862) 45.812,54.5
  MidLayer1 w0.15: v1(5.625,51.975) 10.825,51.975 11.05,52.2 14.025,52.2 15.325,53.5 17.075,53.5 18.075,54.5 v2(45.45,54.5) ; 45.088,54.5 cw(c45.088,54.138) v2@45.344,54.394 ; 45.088,54.5 ccw(c45.088,54.862) v2@45.344,54.606 ; 45.088,54.5 ccw(c45.088,54.862) v2@45.344,54.606 ; 45.088,54.5 cw(c45.088,54.138) v2@45.344,54.394 ; 45.088,54.5 ccw(c45.088,54.862) v2@45.344,54.606 ; 45.088,54.5 cw(c45.088,54.138) v2@45.344,54.394
  Bottom Layer w0.15: R44.2@4.425,51.975 v1(5.625,51.975)